# KiCad board RX8-7(Finished_BeforeESPChange).kicad_pcb (continued)
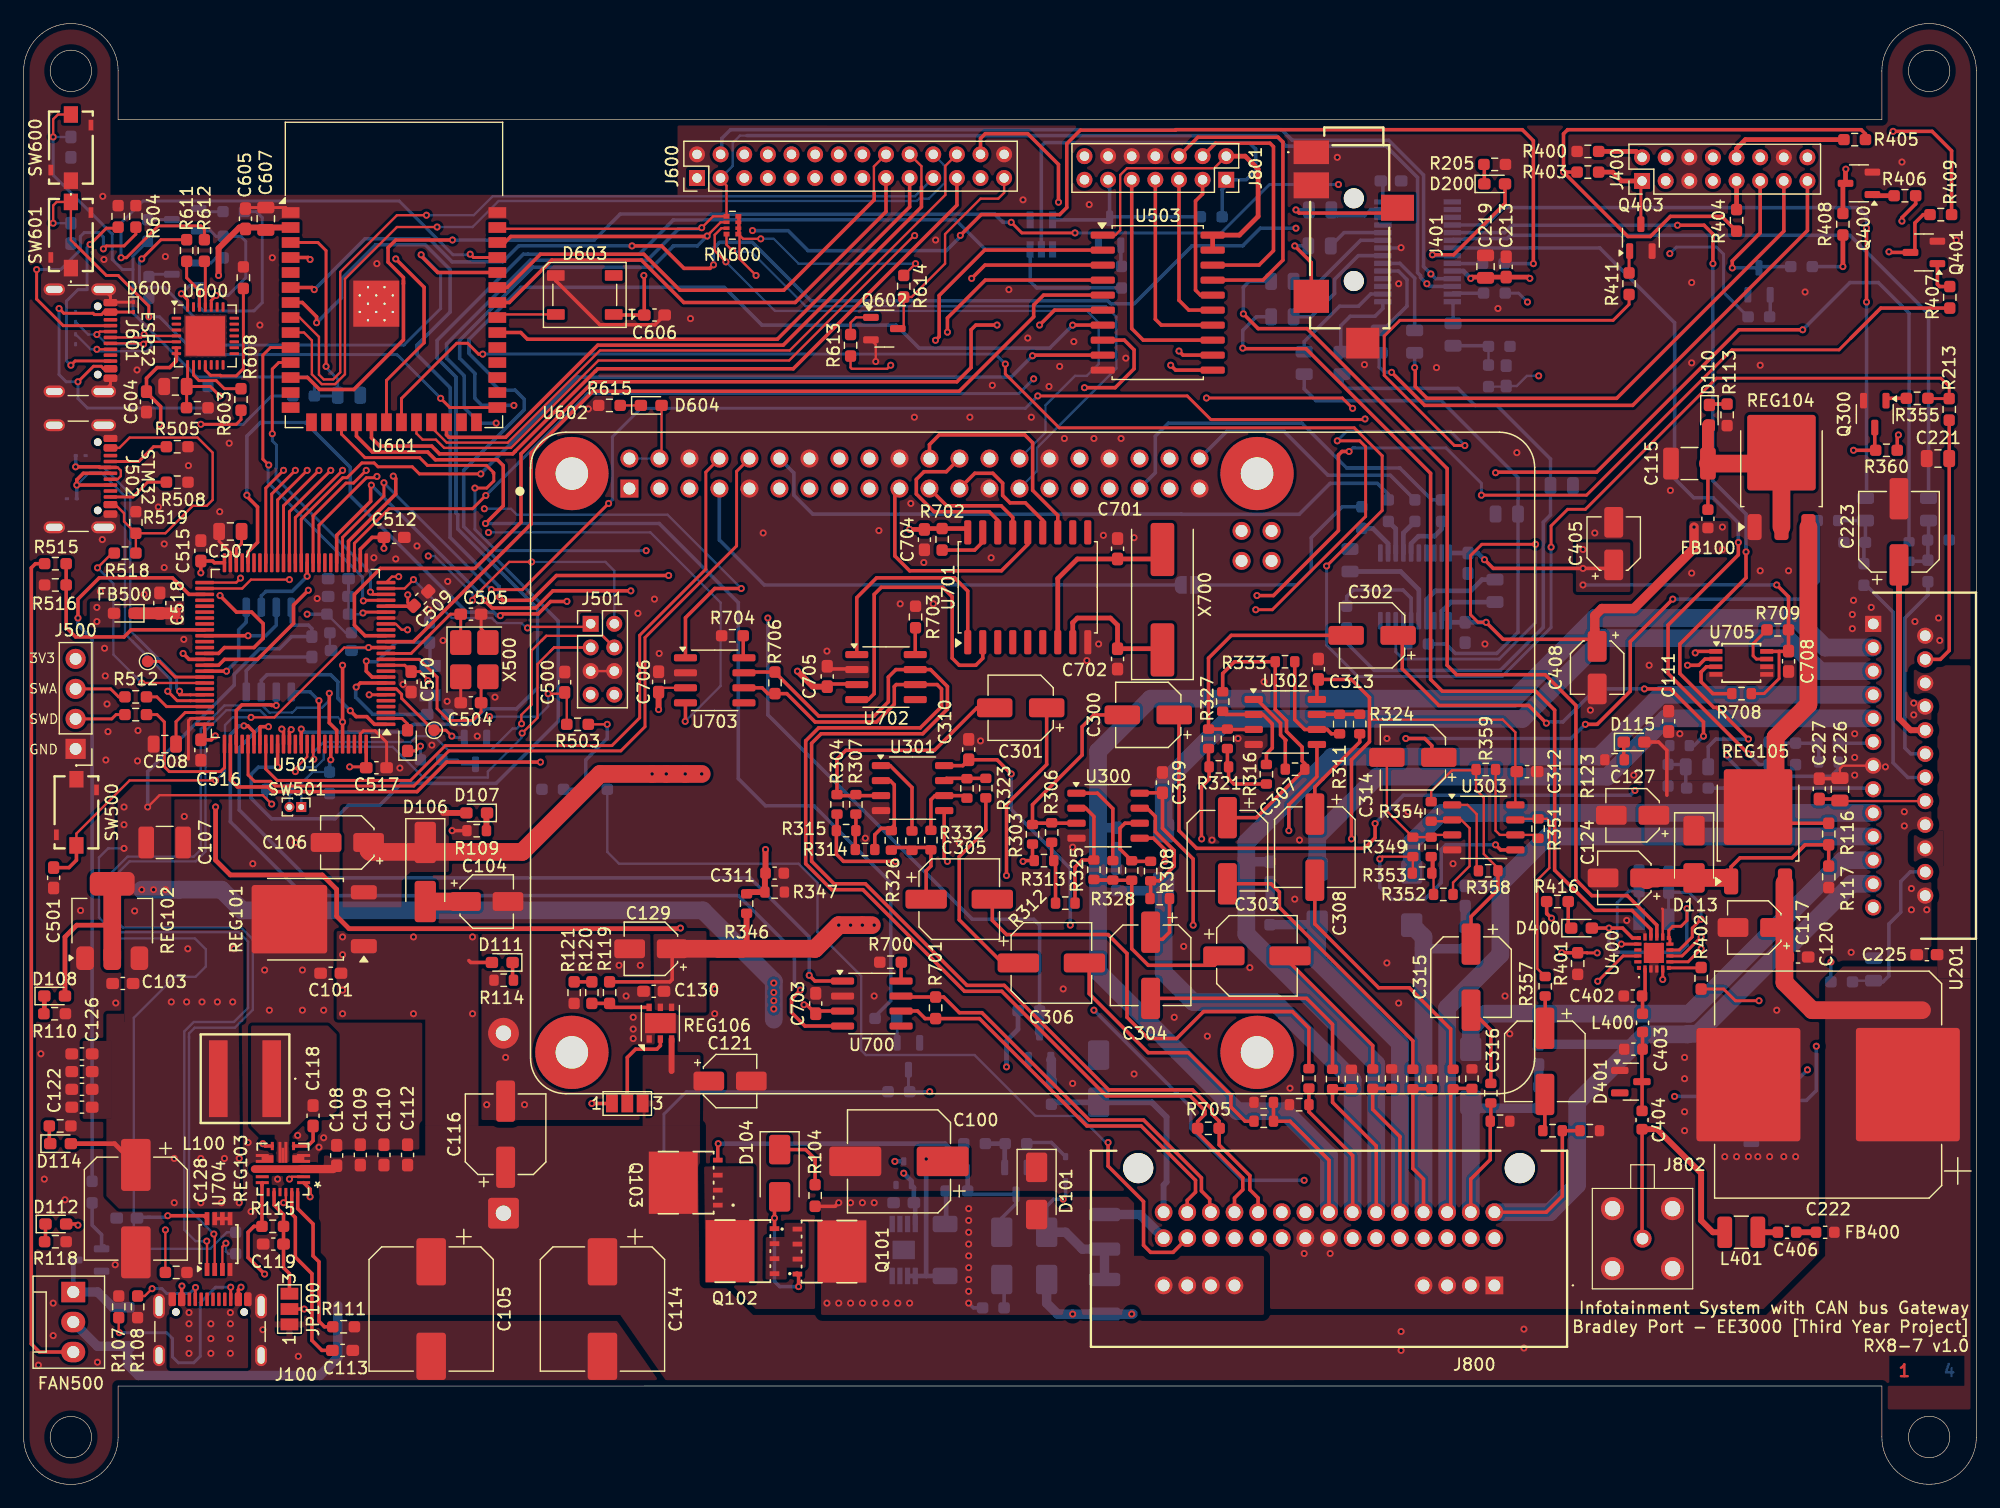
[diagram p0: board, top side]
## Routing (per net, layer and track width the routed paths; a pad name or vN(x,y) marks a point on that pad's centre or on a via; arc(x,y) is an arc through that point) (continued)
  Bottom w0.3: R301.2 159.6,99.14 157,101.74 154.6,101.74 v1(150.6,97.74)
Net-(C302-Pad1): length 35.5
  Top w0.3: v1(128.9,64.44) 127.4,65.94 119.8,65.94 116.7,69.04 116.7,71.52 C302.1 ; v1(137.2,67.34) 139.4,67.34 142.2,64.54 v1(142.2,63.34)
  Bottom w0.3: R302.2 141.4,62.54 v1(142.2,63.34) ; v1(128.9,64.44) 129,64.54 130.3,64.54 133.1,67.34 v1(137.2,67.34)
Net-(C303-Pad1): length 19.4
  Top w0.3: R328.1 90.65,51.16 R325.1 90.67,51.14 R331.2 93.8,45.34 95.2,43.94 100.8,43.94 C303.1
Net-(C303-Pad2): length 12.5
  Top w0.3: C303.2 107.2,44.14 114.2,37.14 R334.1
Net-(C304-Pad1): length 4.9
  Top w0.3: R322.1 97,46.74 96.4,46.14 96,46.14 C304.1
Net-(C304-Pad2): length 20.1
  Top w0.3: R335.1 110.8,38.94 108.6,41.14 C304.2
Net-(C305-Pad1): length 7.9
  Top w0.3: C305.1 76.4,51.94 76.8,52.34 76.8,53.92 73.47,53.92 73.45,53.89
Net-(C305-Pad2): length 40.9
  Top w0.3: C305.2 82,47.74 83.2,46.54 91.8,46.54 93.4,44.94 93.4,39.54 95.2,37.74 97.6,37.74 99.88,40.02 107.4,40.02 108.8,38.62 R336.1
Net-(C306-Pad1): length 18.2
  Top w0.3: 81.45,58.12 81.45,55.39 79.2,53.14 79.2,47.79 82.85,44.14 84.6,44.14
Net-(C306-Pad2): length 21.6
  Top w0.3: R337.1 103.4,30.74 102.2,31.94 102.2,32.94 98.6,36.54 95.2,36.54 90.2,41.54 90.2,44.14
Net-(C307-Pad1): length 24.8
  Top w0.3: C307.1 104.35,56.44 R330.1 108.45,61.02 108.23,61.24 108.23,62.42 106.9,63.74 106.9,64.65 105.95,65.6 R333.2 102.5,69.64 101.5,68.64 R327.1
Net-(C307-Pad2): length 24.4
  Top w0.3: R338.1 117.6,37.54 106.3,48.84 106.3,50.14 105.6,50.84 C307.2
Net-(C308-Pad1): length 8.4
  Top w0.3: C308.1 109.3,59.03 109.98,59.71 109.98,59.72 113.1,62.84 R324.1
Net-(C308-Pad2): length 22.3
  Top w0.3: 120.8,35.14 120.8,38.54 117.3,42.04 114.7,42.04 109.3,47.44 C308.2
Net-(C314-Pad1): length 51.7
  Top w0.3: v1(139.6,74.94) 136,71.34 136,67.14 133.2,64.34 v1(132.2,64.34) ; C314.1 119.2,62.14 119.2,62.54 118.6,63.14 v1(117,63.14)
  Bottom w0.3: R348.2 151.91,76.46 150.4,74.94 v1(139.6,74.94) ; v1(132.2,64.34) 131,63.14 v1(117,63.14)
Net-(C315-Pad1): length 22.1
  Top w0.2: R354.1 119.15,58.69 120.9,60.44 122.87,60.44 R359.2 122.95,58.79 123.6,58.14 123.6,53.37 125.03,51.94
  Top w0.3: 125.03,51.94 124.8,51.72 124.8,50.34 122.52,48.07 C315.1
Net-(C315-Pad2): length 6.9
  Top w0.3: R362.1 124.2,38.47 C315.2
Net-(C316-Pad1): length 2.7
  Top w0.3: R357.1 128.8,38.64 C316.1
Net-(C316-Pad2): length 3.1
  Top w0.3: C316.2 128.77,30.12 R363.1
Net-(C406-Pad1): length 1.7
  Top w0.5: C406.1 L401.2
Net-(C406-Pad2): length 1.7
  Top w0.5: FB400.2 C406.2
Net-(C506-Pad1): length 1.7
  Bottom w0.2: 25.92,72.09 25.92,70.44
Net-(C507-Pad1): length 2.8
  Top w0.25: C507.1 18.45,79.64 18,79.19 U501.48
Net-(C508-Pad1): length 4.6
  Top w0.25: U501.73 13.67,65.34 12.9,64.57 C508.1
Net-(D100-K): length 3.8
  Bottom w0.3: D100.1 87,28.94 85.01,28.94 R100.1
Net-(D102-K): length 13.1
  Bottom w0.4: 76.4,17.64 v1(76.4,27.54) ; 76.4,17.64 REG100.1 REG100.2 ; 76.4,17.64 D102.1
Net-(D103-A): length 33.3
  Top w0.3: Q103.4 58.76,28.8 v1(58.8,28.84)
  Bottom w0.3: D103.2 82.8,22.54 84,23.74 Q100.1 80.2,24.56 R102.1
  Bottom w0.4: R102.1 79.91,26.93 78,28.84 v1(58.8,28.84)
Net-(D103-K): length 2.5
  Bottom w0.3: D103.1 83,17.14 R103.1
Net-(D104-A): length 11.8
  Top w0.3: Q102.4 v1(63.56,22.54) 63.56,23.5 64.4,24.34 ; Q101.4 65.6,17.7 v1(65.6,16.74)
  Top w0.4: 65.46,17.84 Q101.4
  Bottom w0.3: v1(63.56,22.54) 63.56,17.18 64,16.74 v1(65.6,16.74)
Net-(D104-K): length 5.1
  Top w0.3: 64.4,28.34 66.2,28.34 67,27.54 R104.1
Net-(D106-A): length 3.4
  Top w1.5: C104.1 D106.2
Net-(D107-K): length 1.5
  Top w0.5: R109.2 39.18,56.79 D107.1
Net-(D108-K): length 1.5
  Top w0.4: D108.1 1.75,39.88 R110.1
Net-(D110-A): length 19.9
  Top w0.3: 142.58,82.67 C115.1
  Top w1: C115.1 142.58,89.67
  Top w1.5: C115.1 147.87,86.42 REG104.2 REG104.2
Net-(D110-K): length 1.5
  Top w0.3: R113.1 142.78,91.46 D110.1
Net-(D111-K): length 1.5
  Top w0.3: R114.2 41.39,42.76 D111.1
Net-(D112-K): length 1.5
  Top w0.3: R118.2 1.85,20.62 D112.1
Net-(D113-A): length 19.6
  Top w0.3: 150.3,53.64 150.7,54.04 ; 150.3,53.64 149.7,53.04 145.3,53.04 144.54,52.28 REG105.1 ; 150.3,53.64 150.8,54.14 R116.2 R117.1
  Top w1.5: 144.24,51.34 D113.2 137.6,51.34 137.4,51.14
Net-(D114-K): length 1.5
  Top w0.3: R122.2 2.17,28.92 D114.1
Net-(D115-K): length 1.5
  Top w0.3: D115.1 135.45,61.39 R123.2
Net-(D200-A): length 11.3
  Top w0.3: v1(119.25,104.09) 121.05,104.09 125.4,108.44 D200.2
  Bottom w0.3: v1(119.25,104.09) 119.32,104.02 U200.22
Net-(D200-K): length 1.4
  Top w0.3: D200.1 123.65,111.48 123.61,111.51
Net-(D400-K): length 2.4
  Top w0.3: D400.1 130.75,47.34 R416.1
Net-(D401-A2): length 6.7
  Top w0.3: C404.1 137,34.08 D401.2 136.99,36.79 C403.2 L400.2
Net-(D504-K): length 2.4
  Top w0.25: v1(33.59,62.49) 33.19,62.09 D504.1
  Bottom w0.25: v1(33.59,62.49) R511.2
Net-(D505-A): length 7.9
  Bottom w0.4: 4.2,19.01 FAN500.1
  Bottom w0.8: FAN500.1 6.26,16.28 7.55,14.99 D505.2
Net-(D604-A): length 7.1
  Top w0.2: U602.4 54,87.02 D604.2
  Bottom w0.2: U602.2 U602.4
Net-(D604-K): length 1.8
  Top w0.2: D604.1 R615.2
Net-(FAN500-Tacho): length 70.8
  Top w0.3: FAN500.3 1.34,11.2 0.65,11.89 0.65,77.59 1,77.94 R515.1
Net-(J100-CC1): length 6.5
  Top w0.2: R108.1 10.25,15.94 v1(10.88,16.57)
  Top w0.25: v1(14.55,16.67) 14.53,16.65 J100.A5
  Bottom w0.25: v1(10.88,16.57) 11.7,16.57 12.1,16.17 14.05,16.17 v1(14.55,16.67)
Net-(J100-CC2): length 19
  Top w0.2: v1(8.1,12.84) 8.05,12.89 R107.1
  Top w0.25: v1(17.53,16.69) 17.53,15.67
  Bottom w0.25: v1(17.53,16.69) 16.25,16.69 14.95,15.39 14.95,10.84 14.4,10.29 13.1,10.29 12.6,10.79 12.6,12.34 12.1,12.84 v1(8.1,12.84)
Net-(J500-Pin_2): length 4.3
  Top w0.25: R513.2 7.83,65.17 7.46,64.8 J500.2
Net-(J500-Pin_3): length 4.5
  Top w0.25: J500.3 7.36,67.34 8.04,66.67 R512.2
Net-(J502-VBUS-PadA4): length 26.5
  Top w0.2: J502.A9 7.77,82.94 8.5,82.21 8.5,81.52 R519.1 ; J502.A4 8.1,87.74 8.98,88.62 14.72,88.62 16,87.34 16,83.34 15.5,82.84 14.33,82.84 12,80.52 R519.1 ; 9.67,78.84 9.5,79.02 R519.1
Net-(JP100-B): length 9.1
  Top w0.3: REG103.16 21.2,23.64 22,22.84 R115.2 C119.1 22,18.34 22.5,17.84 JP100.3
Net-(JP100-C): length 12.5
  Top w0.3: JP100.2 v1(23.75,14.84) ; v1(24.25,24.34) 24.25,24.99 REG103.1
  In2.Cu w0.3: v1(23.75,14.84) 24,14.84 24.25,15.09 v1(24.25,24.34)
Net-(JP101-C): length 7.7
  Top w0.3: REG106.2 53.9,37.14 53.6,36.84 51.8,36.84 51.1,36.14 JP101.2
Net-(JP600-A): length 45
  Bottom w0.3: U602.7 58.9,79.94 62.7,76.14 JP600.1
Net-(Q100-B): length 3.6
  Bottom w0.4: 83.05,26.89 83.05,28.81 R100.2 R101.2
Net-(Q300-B): length 1.8
  Top w0.3: Q300.2 157.85,91.94 R355.2
Net-(Q301-B): length 2.1
  Bottom w0.25: R356.2 73.95,39.39 Q301.2
Net-(Q400-B): length 1.9
  Top w0.4: Q400.2 156.6,109.09 R406.2
Net-(Q401-B): length 2.9
  Top w0.3: Q401.2 162,101.59 162.19,101.41 R407.2
Net-(Q402-B): length 1.9
  Bottom w0.3: R410.2 147.85,98.89 Q402.2
Net-(Q403-B): length 1.9
  Top w0.25: Q403.2 135.9,104.36 R411.2
Net-(Q404-B): length 1.8
  Bottom w0.3: Q404.2 146.43,30.93 R412.2
Net-(Q404-C): length 30.1
  Top w0.25: 128.93,48.27 129,48.27 v1(129.34,47.93)
  Top w0.3: R416.2 128.93,48.34 v1(129.34,47.93)
  In2.Cu w0.25: v1(129.34,47.93) 129.34,42.01 138.5,32.84 v1(139.75,32.84)
  Bottom w0.3: Q404.1 143.97,30.81 144.5,31.34 R413.1 143,32.59 142.75,32.84 v1(139.75,32.84)
Net-(Q500-B): length 2
  Bottom w0.8: R501.2 87,35.91 Q500.2
Net-(Q501-B): length 1.8
  Bottom w0.3: Q501.2 92.88,103.16 R504.2
Net-(Q502-C): length 3
  Bottom w0.2: R511.1 36.75,61.34 37.14,60.96 Q502.1
Net-(Q503-B): length 4.5
  Bottom w0.3: R517.2 5.8,21.94 6.6,21.14 Q503.2
  Bottom w0.4: 6.8,20.14 Q503.2
Net-(Q600-B): length 2.2
  Bottom w0.25: Q600.2 15.1,107.74 R600.2
Net-(Q600-C): length 2.1
  Bottom w0.25: Q600.1 10.51,107.07 R606.1
Net-(Q601-B): length 2.3
  Bottom w0.25: R601.2 16.29,103.83 15.85,103.39 Q601.2
Net-(Q601-C): length 2
  Bottom w0.25: R607.2 10.8,102.44 Q601.1
Net-(Q602-B): length 2.9
  Top w0.2: R613.2 70,98.34 70.45,98.79 71.72,98.79
Net-(R120-Pad1): length 1.5
  Top w0.3: R120.1 R121.2
Net-(R306-Pad2): length 5.3
  Top w0.3: R306.2 87.03,52.98 R313.2 87.35,52.66 R312.1
Net-(R307-Pad2): length 3
  Top w0.3: R314.1 70.4,55.29 R315.2 R307.2
Net-(R308-Pad1): length 10.5
  Top w0.3: R322.2 95.4,49.64 R308.1 96.15,51.09 97.4,52.34 97.4,53.65 95.8,55.25 95.8,56.54 95.1,57.24 U300.7
Net-(R309-Pad1): length 3.6
  Top w0.3: U301.7 78.12,59.77 R323.2
Net-(R310-Pad2): length 6
  Top w0.3: R316.1 102.45,59.29 102,59.74 R321.2 101.9,60.84 R310.2
Net-(R311-Pad1): length 3.6
  Top w0.3: R324.2 109.49,65.19 U302.7
Net-(R328-Pad2): length 8
  Top w0.3: R328.2 92.2,57.21 90.9,58.51 U300.1
Net-(R329-Pad2): length 6.9
  Top w0.3: U301.1 73.35,60.85 75.2,59 75.2,55.52
Net-(R330-Pad2): length 7.2
  Top w0.3: R330.2 106.8,62.94 106.85,62.99 106.4,63.44 106.4,64.44 104.4,66.45 U302.1
Net-(R350-Pad2): length 4.6
  Top w0.2: R353.2 119.2,53.09 119.35,52.94 R352.1
Net-(R351-Pad1): length 16.8
  Top w0.2: R357.2 128.14,43.66 128.14,51.17 129.15,52.18 129.15,56.14 128.95,56.34 R351.1 126.37,56.34 U303.7
Net-(R358-Pad2): length 7.4
  Top w0.2: 123.38,51.94 123,52.32 123,56.74 122.22,57.52 U303.1
Net-(R503-Pad1): length 9.7
  Top w0.2: R503.1 v1(49.4,64.34)
  Bottom w0.3: R521.1 R520.2 47.59,61.33 49.4,63.14 v1(49.4,64.34)
Net-(REG103-BST): length 3.1
  Top w0.3: C118.1 24.5,29.09 24.05,28.64 REG103.6
Net-(REG103-FREQ): length 13
  Top w0.3: R111.1 25.46,13.34 25,13.81 25,18.84 24.5,19.34 24.5,22.04 23.2,23.34 REG103.20
Net-(REG103-SS): length 15.3
  Top w0.3: REG103.19 22.7,22.89 23,22.59 23,19.24 24.4,17.84 24.4,12.19 25.25,11.34 C113.1
Net-(REG103-SYNCIN): length 70.4
  Top w0.2: v1(12,21.54) R112.1 ; REG103.2 22.7,26.04 v1(22.5,25.84)
  In2.Cu w0.2: v1(22.5,25.84) 24,25.84 25.25,24.59 25.25,9.59 24.58,8.92 24.5,8.92 3.42,8.92 1.75,10.59 1.75,22.09 2.75,23.09 5.25,23.09 6.8,21.54 v1(12,21.54)
Net-(REG106-ADJ): length 4.8
  Top w0.3: REG106.6 49.63,40.38 ; R119.1 R120.2
Net-(SW501-Pin_2): length 1.5
  Bottom w0.2: R500.2 22.5,58.76 SW501.2
Net-(U200-CREF): length 1.8
  Bottom w0.3: C210.1 115.06,110.17 U200.14
Net-(U200-DC_ERR_/_MOUT): length 2.7
  Bottom w0.3: R204.1 121.01,100.84 U200.27
Net-(U200-FDL+/QD4L): length 4.9
  Bottom w0.3: U200.10 111.78,105.97 C206.2
Net-(U200-FDR+/QDAR): length 4.8
  Bottom w0.3: C207.2 111.2,107.39 113.5,107.39 114.02,107.92 U200.13
Net-(U200-MUTE): length 2.6
  Bottom w0.3: U200.23 120.96,103.34 R206.1
Net-(U200-OUTLF): length 68.8
  Top w0.3: v1(146,61.84) 139.2,68.64 139.2,72.74 145.15,78.69 v1(145.15,79.74)
  Bottom w0.3: U200.21 133.43,104.67 139.75,98.34 139.75,85.14 141.38,83.52 143.03,83.52 145.15,81.39 v1(145.15,79.74) ; v1(146,61.84) 146.9,60.94 C215.1
Net-(U200-OUTLR): length 58.9
  Bottom w0.3: U200.20 121.01,105.39 122.03,105.39 122.03,105.47 125.58,105.47 125.86,105.74 154.6,105.74 161.25,99.09 C216.1
Net-(U200-OUTRF): length 59.9
  Top w0.3: v1(156,100.09) v1(156,106.34)
  Bottom w0.3: v1(156,100.09) 156,83.58 C218.1 ; U200.18 123.78,106.62 125.25,108.09 155.25,108.09 156,107.34 v1(156,106.34)
Net-(U200-OUTRR): length 76.7
  Top w0.3: v1(140,106.59) 142.25,106.59 143,105.84 v1(143,103.34) ; v1(146,63.09) 143.32,65.77 143.07,65.77 140.2,68.64 140.2,71.14 145.8,76.74 v1(145.8,78.94)
  Bottom w0.3: v1(145.8,78.94) 145.8,82.14 143,84.94 v1(143,103.34) ; 142.6,60.84 142.6,62.44 143.25,63.09 v1(146,63.09) ; U200.19 125.38,105.97 126,106.59 v1(140,106.59)
Net-(U200-QD1L): length 7.5
  Bottom w0.3: U200.1 115.06,99.55 114.4,98.89 112.3,98.89 111.5,98.09 111.5,95.34
Net-(U200-QD1R): length 9.2
  Bottom w0.3: C201.2 108.4,96.74 111.4,99.74 113,99.74 114.02,100.77 U200.2
Net-(U200-QD2L): length 7.9
  Bottom w0.3: 114.75,97.4 117.1,99.75 117.1,101.99 116.38,102.72 U200.5
Net-(U200-QD2R): length 7.6
  Bottom w0.3: U200.6 116.5,103.37 117.75,102.12 C203.2
Net-(U200-QD3L): length 10.2
  Bottom w0.3: 107.75,98.84 109,98.84 110.97,100.82 110.97,102.02 112.98,104.02 U200.7
Net-(U200-QD3R): length 9
  Bottom w0.3: U200.9 113.18,105.32 109.7,101.84 C205.2
Net-(U200-WIN_IN_/_BEEP): length 1.9
  Bottom w0.3: U200.28 121,100.06 C214.1
Net-(U201-AC-GND): length 9
  Top w0.2: C226.1 153.8,57.84 U201.16
  Top w0.3: C226.1 153.63,58.02 C227.1
Net-(U201-IN1): length 3
  Bottom w0.3: U201.11 156.47,62.74 R317.1
Net-(U201-IN2): length 18.1
  Bottom w0.3: 161.18,76.59 161.18,75.27 ; 161.18,75.27 159.25,73.34 159.25,62.34 159.75,61.84 U201.12 ; 161.18,75.27 161.2,75.29 R318.1
Net-(U201-IN3): length 13.6
  Bottom w0.3: U201.15 156.47,58.94 143,58.94
Net-(U201-IN4): length 19.4
  Bottom w0.3: R320.1 155.97,76.12 158.25,73.84 158.25,61.09 159.5,59.84 U201.14
Net-(U201-MUTE): length 14.1
  Bottom w0.2: C220.1 154.91,42.64 R212.2
  Bottom w0.3: 156.7,42.64 156.8,42.54 157.4,42.54 157.9,43.04 157.9,47.44 158.9,48.44 158.9,51.04 159.7,51.84 U201.22
Net-(U201-ST-BY): length 21.8
  Top w0.3: R213.2 C221.1 163,70.59 162.25,69.84 U201.4
Net-(U201-SVR): length 16.1
  Top w0.5: U201.10 159.75,63.84 158.75,64.84 158.75,78.34
Net-(U300A-+): length 17.6
  Top w0.3: C300.2 90.6,65.14 89.6,64.14 89.6,61.74 85.4,57.54 R303.2 85.51,55.97 U300.3
Net-(U300A--): length 10.3
  Top w0.3: U300.2 89.9,57.24 90.6,56.54 R325.2 89.6,52.86 89,52.26 R312.2
Net-(U300B--): length 6.6
  Top w0.3: U300.6 93.23,55.97 92.8,55.54 92.8,53.79 R331.1 93.85,52.74 R308.2
Net-(U301A-+): length 21.9
  Top w0.3: C301.2 80.7,65.74 77.1,62.14 69.6,62.14 68.85,61.39 R304.2 68.94,58.31 U301.3
Net-(U301A--): length 7.9
  Top w0.3: R314.2 72.05,54.99 72.6,55.54 73.45,55.54 73.7,55.79 73.7,59.23 73.35,59.58 U301.2
Net-(U301B--): length 5.7
  Top w0.3: 76.8,55.57 76.8,57.96 77.15,58.31 U301.6 79.63,58.31 R309.2
Net-(U302A-+): length 22.3
  Top w0.3: U302.3 101.94,63.91 R310.1 R305.2 100.3,69.94 102.23,71.87 C302.2
Net-(U302A--): length 8.3
  Top w0.3: R316.2 105.2,61.84 105.7,62.34 105.7,64.38 104.9,65.18 U302.2 101.76,65.18 R327.2
Net-(U302B--): length 9.2
  Top w0.3: R333.1 107.6,64.74 108.44,63.91 U302.6 110.34,63.91 110.7,63.54 R311.2
Net-(U303A-+): length 11.1
  Top w0.2: C314.2 115.4,56.99 R349.2 R350.1 119.2,54.74 119.44,54.98 U303.3
Net-(U303A--): length 9.8
  Top w0.2: R354.2 120.81,56.14 U303.2 121.7,56.25 122.4,55.55 122.4,52.34 121,50.94 R352.2
Net-(U303B--): length 9
  Top w0.2: R351.2 127.91,54.98 U303.6 124.96,54.98 124.6,55.34 R359.1
Net-(U400-GPIO3): length 9.7
  Top w0.25: v1(135.25,45.74) U400.17
  Bottom w0.25: v1(135.25,45.74) 134.9,46.09 134.9,49.24 135.89,50.23 C401.1 X400.2
Net-(U400-RCLK): length 10.9
  Top w0.25: U400.9 140.15,45.24 141.25,46.34 141.25,47.09 v1(142,47.84)
  Bottom w0.25: v1(142,47.84) 142,49.09 140.98,50.12 C400.1 X400.1
Net-(U400-~{SEN}): length 2.8
  Top w0.25: 142,43.93 141.79,43.72 U400.6
Net-(U401-BCK): length 2.9
  Bottom w0.4: R419.2 116.15,80.89 U401.13
Net-(U401-CAPM): length 8.3
  Bottom w0.4: U401.4 118.75,74.89 119.5,75.64 122.5,75.64 123.45,76.59 C410.1
Net-(U401-CAPP): length 5.1
  Bottom w0.4: U401.2 120.05,73.92 120.83,74.69 124.05,74.69
Net-(U401-DIN): length 3.1
  Bottom w0.4: U401.14 116.8,80.54 R418.2
Net-(U401-LRCK): length 4.5
  Bottom w0.4: U401.15 117.45,79.64 118.08,80.27 119.42,80.27 120.03,80.87 R417.2
Net-(U401-OUTL): length 8.7
  Bottom w0.3: U401.6 117.45,75.02 116.76,75.71 112.56,75.71 112,75.15 R421.1
Net-(U401-OUTR): length 1.9
  Bottom w0.3: U401.7 116.8,71.19
Net-(U401-SCK): length 3.6
  Bottom w0.4: U401.12 115.5,79.64 114.21,80.93 R420.2
Net-(U401-VNEG): length 9.1
  Bottom w0.4: C409.2 116.56,77.28 118.1,75.74 U401.5
Net-(U501-PA4): length 115.5
  Top w0.25: U501.28 28,79.67 30.92,82.59 38,82.59 v1(39.12,83.72) ; v1(112.5,91.09) 111.62,91.97 v1(100.12,91.97)
  In2.Cu w0.25: v1(112.5,91.09) 127.25,91.09 128.25,92.09 v1(128.25,93.84) ; v1(85.5,93.59) 98.5,93.59 v1(100.12,91.97)
  Bottom w0.2: R514.1 125.45,92.93 C511.2 126.39,92.98 127.25,93.84 v1(128.25,93.84)
  Bottom w0.25: v1(39.12,83.72) 47.75,92.34 84.25,92.34 v1(85.5,93.59)
Net-(U501-PA13): length 5.3
  Top w0.25: R512.1 11.27,66.67 12.1,65.84 U501.72
Net-(U501-PA14): length 13
  Top w0.25: R513.1 11.29,65.17 11.91,64.54 11.91,60.76 12.33,60.34 16.67,60.34 17,60.67 U501.76
Net-(U501-PB14): length 61.8
  Top w0.3: v1(4.6,73.34) 4.6,74.94 6.4,76.74 12.6,76.74 14,75.34 U501.53
  Bottom w0.3: R517.1 5.8,71.54 4.6,72.74 v1(4.6,73.34)
Net-(U501-PC14): length 11.8
  Top w0.3: U501.8 28.5,67.84 v1(28.15,67.49)
  Bottom w0.3: X501.1 34.4,65.43 C513.1 29.55,65.19 28.1,66.64 28.1,67.44
Net-(U501-PC15): length 10.7
  Top w0.3: v1(29.01,69.69) 29.01,68.84 29.5,68.34 U501.9
  Bottom w0.3: X501.2 34.4,71.05 34.16,71.29 31.55,71.29 29.9,69.64 29.06,69.64 v1(29.01,69.69)
Net-(U501-PH0): length 15.3
  Top w0.25: U501.12 33.5,69.84 35,68.34 35,65.67 36,64.67 38,64.67 38.73,65.39 38.73,67.79 X500.3
Net-(U501-PH1): length 10.1
  Top w0.25: 37,71.27 C505.1 36.13,73.67 32.8,70.34 U501.13
Net-(U501-VDDA): length 94.4
  Top w0.25: v1(34.22,68.04) 34.22,68.12 33.54,68.81 C510.2 32.26,69.34 U501.11 ; C512.2 v1(30.5,79.24) ; C517.2 28.92,60.74 v1(27.6,60.74) ; 33,74.17 32.52,74.65 v1(32.52,75.31)
  Top w0.3: U501.50 16.15,78.02 16,78.17 15,78.17 v1(15,77.17) ; U501.27 28.5,79.17 29.5,80.17 30.5,80.17 ; U501.75 15.33,63.36 C516.2 15.89,63.03 v1(16.22,63.37) ; U501.21 32.82,74.34 33,74.17 ; U501.100 C517.2
  Top w1: 12.8,73.74 C518.1 FB500.1
  In2.Cu w0.25: 20.6,73.14 20.8,72.94 20.8,69.74 22.1,68.44 33.82,68.44 v1(34.22,68.04) ; v1(32.52,75.31) 30.35,73.14 22.6,73.14 ; v1(27.6,60.74) 26.98,60.12 24.52,60.12 23.3,61.34 19.5,61.34 18.2,62.64 18.2,63.34 17.75,63.79 17.75,65.64 18.2,66.09 ; 23.6,74.34 27.2,74.34 30.5,77.64 v1(30.5,79.24)
  In2.Cu w0.3: v1(24,73.67) 23.72,73.67 23.6,73.54 ; v1(15,77.17) 15,74.34 ; 18.2,66.09 18.2,72.94 ; v1(16.22,63.37) 18.17,63.37 18.2,63.34
  Bottom w0.2: R507.2 27.25,72.09 R509.2
  Bottom w0.3: R507.2 v1(24,73.67)
  vias: v1(13.2,74.34) v1(13.2,73.14)
Net-(U501-VREF+): length 6.2
  Top w0.25: v1(28.72,73.77) 28.8,73.84 U501.20
  Bottom w0.2: C503.1 R507.1 28.62,73.67 v1(28.72,73.77)
  Bottom w0.25: C502.1 C503.1
Net-(U600-RXD): length 3.9
  Top w0.25: R612.1 15.38,103.46 U600.25
Net-(U600-TXD): length 4.3
  Top w0.25: R611.1 13.8,102.14 14.88,101.06 U600.26
Net-(U600-VBUS): length 8.1
  Top w0.25: C601.1 15.8,92.94 v1(16.6,92.14) ; C601.1 13.8,91.16 R603.2 ; C601.1 13.88,93.02 U600.8
  Bottom w0.25: R602.2 15.8,92.94 v1(16.6,92.14)
Net-(U600-~{RST}): length 5.4
  Top w0.25: R608.1 16.99,92.76 16.3,93.44 14.85,93.44 14.38,93.91 U600.9
Net-(U600-~{SUSPEND}): length 10.9
  Top w0.25: U600.11 15.38,94.32 15.81,93.89 16.65,93.89 16.7,93.84 18,93.84 18.6,94.44 R610.1
Net-(U700-Rs): length 1.6
  Top w0.3: R700.1 74.28,44.18 U700.8
Net-(U701-OSC1): length 11.7
  Top w0.4: U701.8 88.81,72.93 88.8,72.94 89.2,73.34 92,73.34 92.6,72.74 C702.2 96.3,70.74 X700.1
Net-(U701-OSC2): length 15.3
  Top w0.4: X700.2 95.6,78.34 C701.2 89.2,78.34 87.54,76.68 U701.7
Net-(U701-RXCAN): length 26.9
  Top w0.3: U701.2 81.19,69.93 80.6,69.34 79.2,69.34 78.6,69.94 78.6,75.14 77.8,75.94 72.6,75.94 72,75.34 72,66.94 71.5,66.44 U702.4
Net-(U701-TXCAN): length 19.7
  Top w0.3: U701.1 79.92,75.62 78.8,76.74 72.2,76.74 70.53,75.07 U702.1
Net-(U701-~{RESET}): length 4.5
  Top w0.3: U701.17 81.19,79.78 80.5,79.09 R702.1
Net-(U702-Rs): length 2.3
  Top w0.3: U702.8 75.47,72.49 R703.1
Net-(U703-Rs): length 1.9
  Top w0.3: R704.1 60.91,70.04 U703.8
Net-(U704-O.S.): length 4
  Top w0.2: U704.3 16.83,20.12 v1(17.12,20.42)
  Bottom w0.2: R707.1 17.33,19.52 17.12,19.72 v1(17.12,20.42)
Net-(U705-A0): length 4
  Top w0.25: U705.7 146.68,69.87 146.4,70.14 146.4,71.17 R709.2
Net-(U705-O.S.): length 5.3
  Top w0.3: U705.3 142.45,69.22 142,68.77 142,67.94 143,66.94 R708.1

## Copper pours and planes (outline as drawn; the poured copper is in the pictures)
+12V on Top: 57.3,36.34 57.25,30.34 52.4,30.34 52.4,36.34
+12V on Top: 26.5,46.84 26.5,39.34 34,39.34 34,30.34 38.5,30.34 38.5,46.84
+12V on Top, Bottom: 160,69.34 160,66.34 162,66.34 162,42.84 166.5,42.84 166.5,69.34
+12V on Top, Bottom: 160,55.34 160,52.34 162.5,52.34 162.5,55.34
+12V on Top, Bottom: 57.25,30.34 34,30.34 34,27.84 25,27.84 25,14.34 50.5,14.34 54.5,8.59 54.5,6.34 167.5,6.34 167.5,43.84 154,43.84 152.5,42.34 152.5,19.34 147.5,14.34 61.75,14.34 57.25,18.84
+12V on In2.Cu: 139.75,113.14 139.75,115.44 55.3,115.44 55.35,113.54
+12V on In2.Cu: 53,8.84 58,13.84 58,41.84 53,46.84 26.21,46.84 25.9,46.53 25.9,39.94 26.5,39.34 27.12,39.34 28,38.47 28,13.84 33,8.84
+12V on In2.Cu: 35.4,38.14 35.4,30.05 4.75,29.84 -1.01,35.58 -0.81,105.75 1.79,108.36 55,108.54 55,114.14 57.7,114.14 57.7,104.54 6.8,104.54 3.8,101.54 3.8,42.15 7.9,37.98
AGND on Top: 24.91,27.94 24.91,27.24 23.21,27.24 23.21,27.94
AGND on Top, Bottom: -7.5,129.34 -7.5,-6.16 172.5,-6.16 172,128.34
AGND on In1.Cu: -1.5,124.84 166,124.84 166,-0.16 -1.5,-0.16
P3V3 on Top: 7.95,49.84 12.5,49.84 12.5,59.4 9.51,59.4 7.95,57.84
P3V3 on Top: 131.4,79.74 131.4,75.54 136,75.54 136,79.74
P3V3 on Top: 8.2,74.74 8.2,72.54 5.6,72.54 5.6,74.74
P5V on Top: 18.6,46.94 18.6,39.14 8.52,39.14 8.52,46.94
P5V on Top: 18.2,39.84 7,39.84 7,24.41 8.06,23.34 18.38,23.34 18.3,26.14 18.3,30.34
P5V on Top: 5,30.94 7.4,30.94 7.4,37.54 5,37.54
P5V on Top: 12.35,9.84 19,9.84 19,15.31 12.35,15.31
P5V on In2.Cu: 19,28.09 19,9.84 12.25,9.84 12.25,28.09
P5V on In2.Cu: 101.1,58.94 101.1,55.23 104.48,55.23 117.28,68.3 117.28,89.64 113.4,89.64 113.4,72.42 99.93,58.94
P5V on In2.Cu: 47.2,67.54 51.2,67.54 51.2,58.34 47.4,58.34
P5V on In2.Cu: 11.8,40.14 18.6,40.14 18.6,55.24 102,55.24 102,58.94 11.8,58.94
P8V on Top: 27,48.84 32,48.84 32,51.09 32.75,51.84 36,51.84 36,57.34 27,57.34
3P3 on Top, In2.Cu: 141,81.54 144.3,81.54 144.3,78.74 141,78.74
8P5 on Top: 149.4,54.34 137.2,54.34 137.2,59.74 149.4,59.74
8P5 on Top: 137.25,59.59 143.5,59.59 143.5,63.84 137.25,63.84
9P5 on Top: 53.4,39.94 57.8,39.94 57.8,46.84 53.3,46.84
+BAT on Top, Bottom: 67.5,24.34 67.5,14.34 105,14.34 105,19.34 94,19.34 94,24.34
Net-(C118-Pad2) on Top: 21.25,27.09 22.5,27.09 22.5,29.59 24,31.09 25.75,31.09 26.5,31.59 26.5,38.09 25.75,38.84 19.25,38.84 19.25,30.34 20,29.59 21.25,29.59
Net-(Q101-S-Pad1) on Top: 66.2,22.14 66.2,18.34 64.6,18.34 64.6,17.34 62.8,17.34 62.83,20.94 64.4,20.94 64.4,22.14
Net-(Q102-D) on Top: 61.8,17.14 61.8,26.94 57.6,26.91 57.72,17.14
Net-(U501-VDDA) on Top: 12,74.81 12,72.61 13.6,72.61 13.6,74.81
Net-(U501-VDDA) on In2.Cu: 12.8,74.94 12.8,72.34 23.8,72.34 23.8,74.94

## Text on the board
F.Silkscreen: 3V3 / SWA / SWD / GND | Infotainment System with CAN bus Gateway / Bradley Port - EE3000 [Third Year Project] / RX8-7 v1.0 | * | ESP32 | STM32
